# Altium PCB RK_NVR_DEMO1_RK3588_LP4XD200P232SD8_V21_20211228_final_lint.PcbDoc (part 8 of 29)
Units mm, origin at the board's own origin, x right, y up, seen from the top; angles counter-clockwise.
Board outline 170.08 x 169.98 mm, 8 copper layers (TOP, L2-GND1, L3-POWER1, L4-S1, L5-GND2, L6-S2, L7-GND3, BOTTOM), stack 2.118 mm thick; 1650 components, 1119 nets, 6165 pads, 15417 vias.
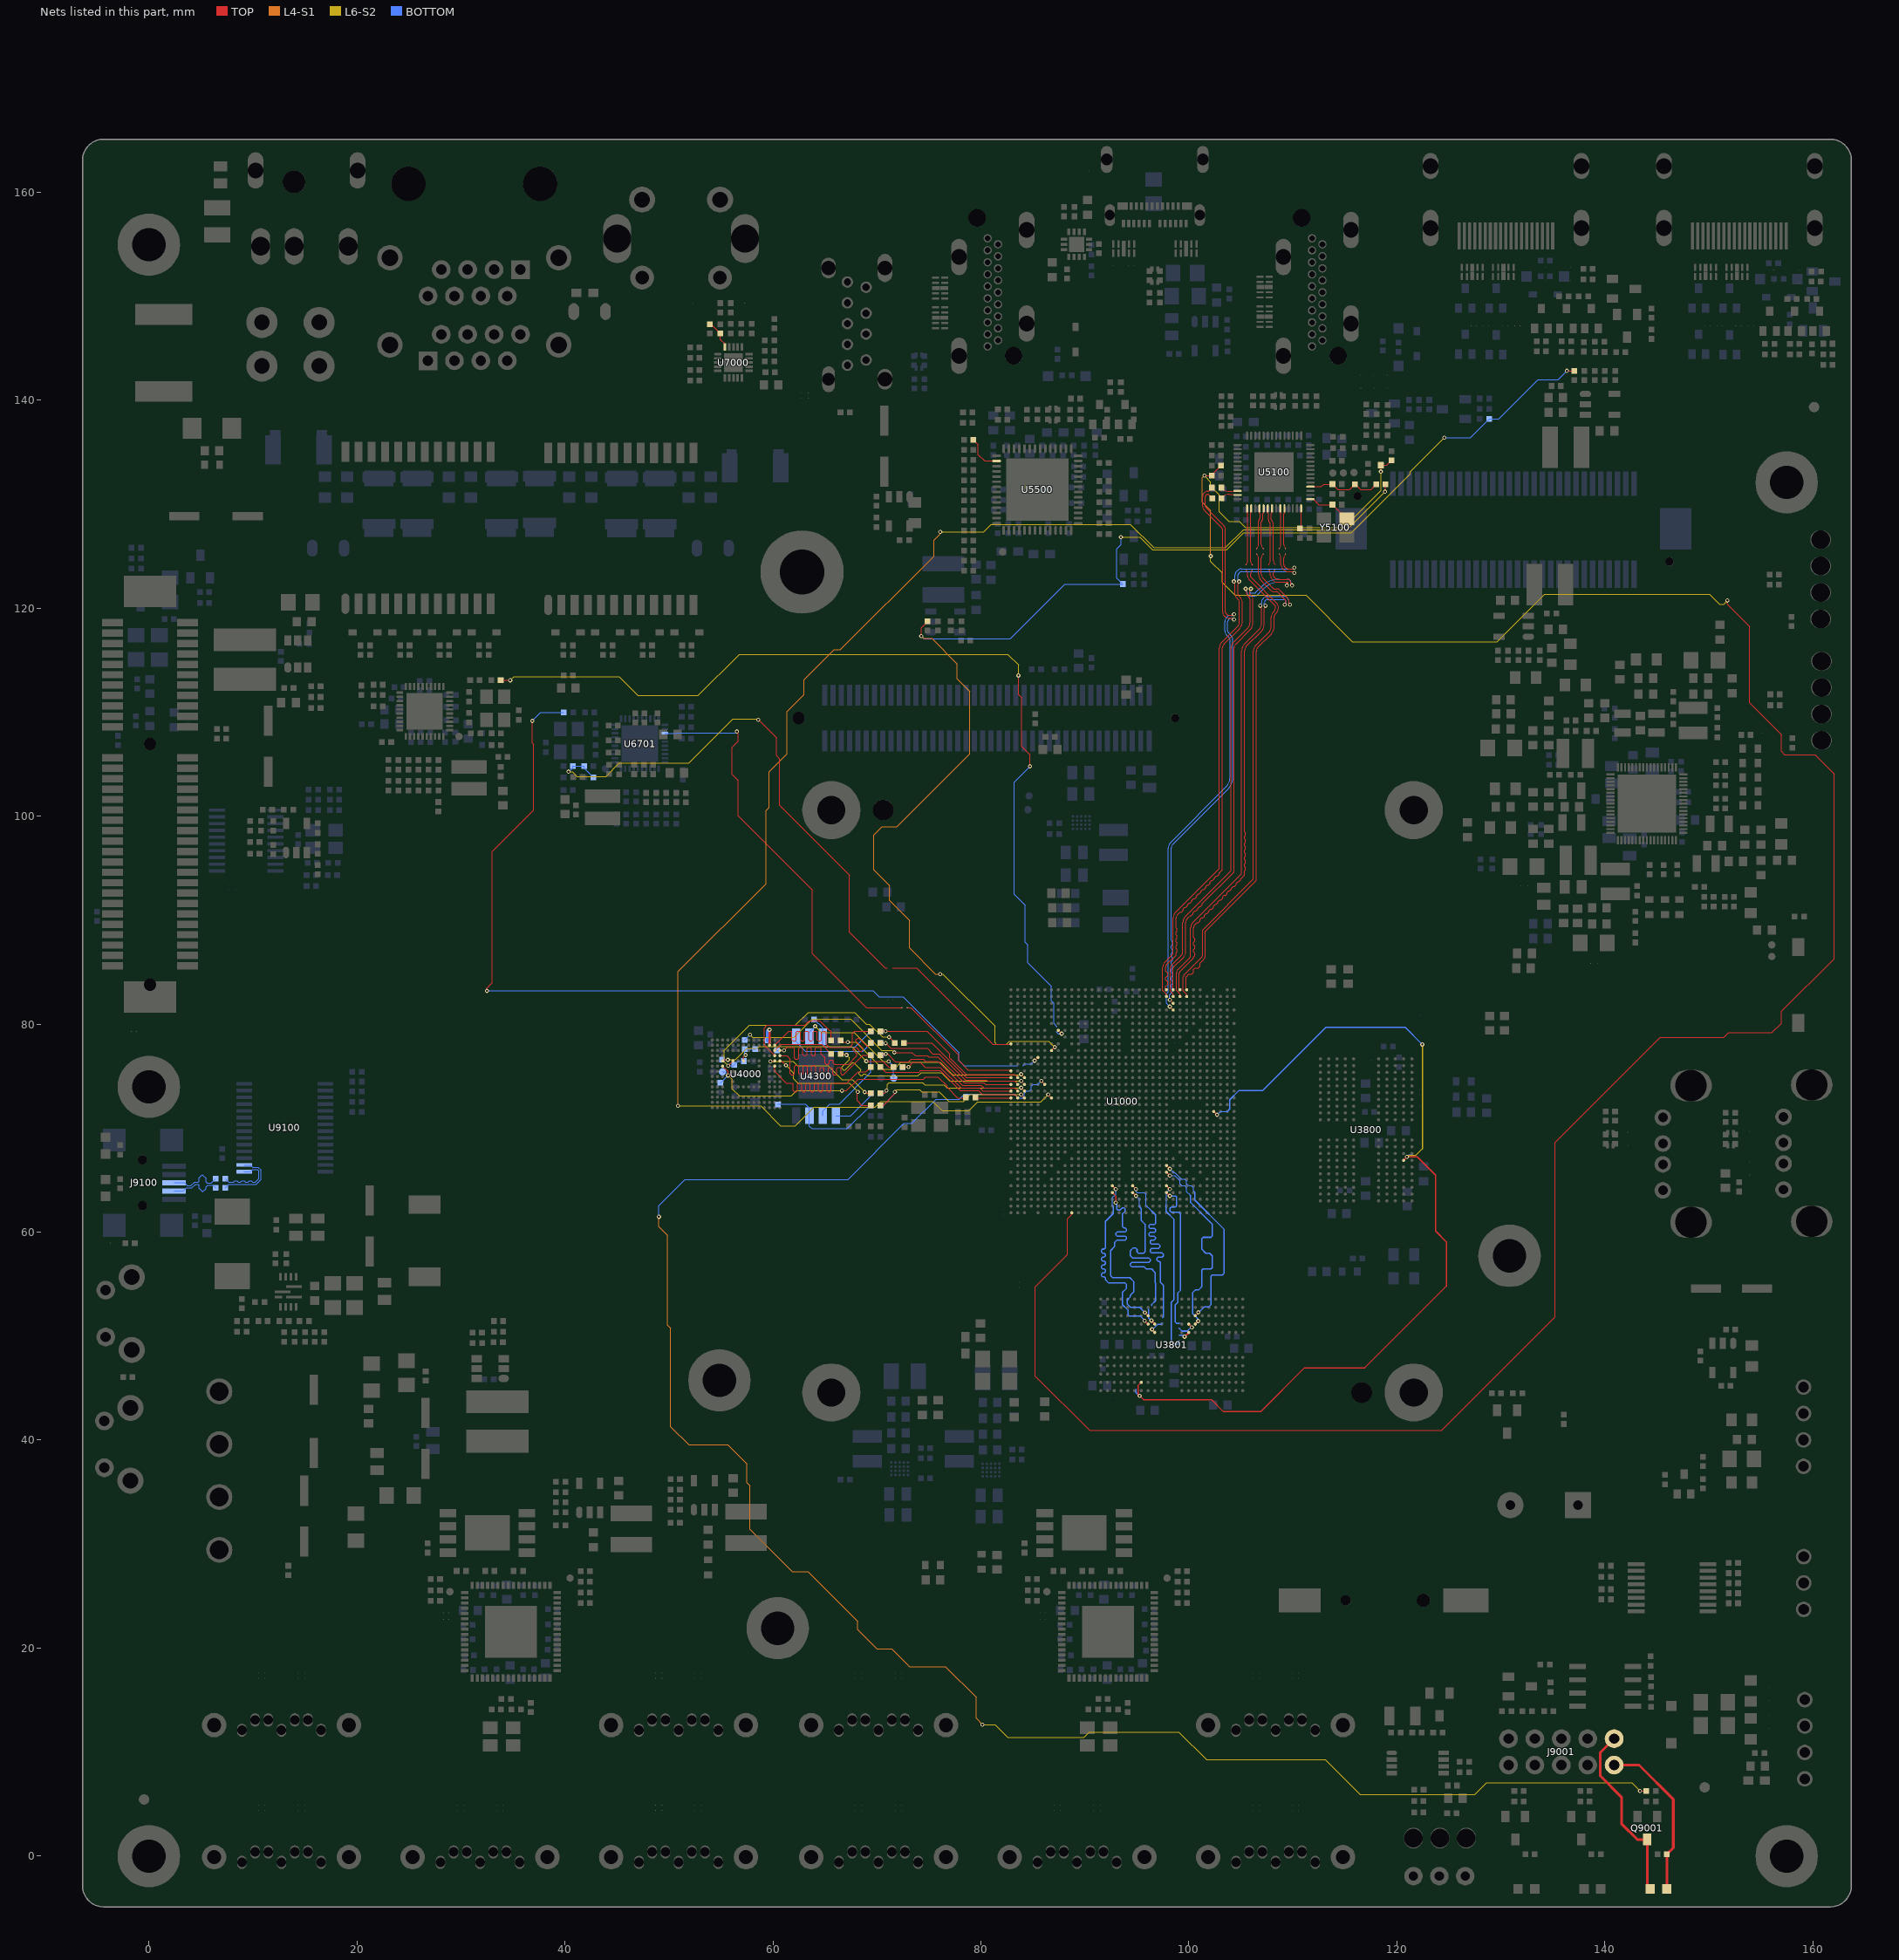
[diagram p14: the nets of this part, all layers, seen from the top]

## Via types
v1: diameter 0.4, hole 0.2, TOP to BOTTOM, 1688 vias
v2: diameter 0.4/0.4 (per signal layer), hole 0.2, TOP to L2-GND1, 1605 vias
v3: diameter 0/0/0/0/0/0/0/0.4 (per signal layer), hole 0.2, TOP to BOTTOM, 1253 vias
v4: diameter 0.4/0/0/0/0/0/0/0 (per signal layer), hole 0.2, TOP to BOTTOM, 1253 vias
v5: diameter 0.5, hole 0.3, TOP to BOTTOM, 857 vias
v6: diameter 0.4/0.4/0.4/0.4/0.4 (per signal layer), hole 0.2, L4-S1 to BOTTOM, 836 vias
v7: diameter 0/0/0/0/0/0/0/0.5 (per signal layer), hole 0.3, TOP to BOTTOM, 772 vias
v8: diameter 0.5/0/0/0/0/0/0/0 (per signal layer), hole 0.3, TOP to BOTTOM, 772 vias
v9: diameter 0.5/0.5 (per signal layer), hole 0.3, TOP to L2-GND1, 766 vias
v10: diameter 0.4/0.4 (per signal layer), hole 0.2, L7-GND3 to BOTTOM, 611 vias
v11: diameter 0.4/0.4/0.4/0.4 (per signal layer), hole 0.2, L5-GND2 to BOTTOM, 579 vias
v12: diameter 0.4 (per signal layer), hole 0.2, L6-S2 to L6-S2, 535 vias
v13: diameter 0.5/0.5/0.5/0.5/0.5 (per signal layer), hole 0.3, L4-S1 to BOTTOM, 457 vias
v14: diameter 0.5/0.5/0.5/0.5 (per signal layer), hole 0.3, L5-GND2 to BOTTOM, 455 vias
v15: diameter 0.4 (per signal layer), hole 0.2, L5-GND2 to L5-GND2, 418 vias
v16: diameter 0.5/0.5/0.5 (per signal layer), hole 0.3, TOP to L3-POWER1, 306 vias
v17: diameter 0.4 (per signal layer), hole 0.2, L4-S1 to L4-S1, 300 vias
v18: diameter 0.4/0.4/0.4 (per signal layer), hole 0.2, TOP to L3-POWER1, 287 vias
v19: diameter 0.5 (per signal layer), hole 0.3, L3-POWER1 to L3-POWER1, 242 vias
v20: diameter 0.5 (per signal layer), hole 0.3, L4-S1 to L4-S1, 240 vias
v21: diameter 0.5/0.5 (per signal layer), hole 0.3, L7-GND3 to BOTTOM, 192 vias
v22: diameter 0.5 (per signal layer), hole 0.3, L6-S2 to L6-S2, 166 vias
v23: diameter 0.4/0.4/0.4/0.4/0.4 (per signal layer), hole 0.2, TOP to L5-GND2, 134 vias
v24: diameter 0.5 (per signal layer), hole 0.3, L5-GND2 to L5-GND2, 114 vias
v25: diameter 0.5/0.5 (per signal layer), hole 0.3, L3-POWER1 to L4-S1, 111 vias
v26: diameter 0.4 (per signal layer), hole 0.2, L3-POWER1 to L3-POWER1, 93 vias
v27: diameter 0.4/0.4 (per signal layer), hole 0.2, L4-S1 to L5-GND2, 59 vias
v28: diameter 0.4/0.4/0/0/0.4/0/0.4/0.4 (per signal layer), hole 0.2, TOP to BOTTOM, 56 vias
v29: diameter 0.4/0/0/0.4/0/0/0/0.4 (per signal layer), hole 0.2, TOP to BOTTOM, 51 vias
v30: diameter 0.5/0.5 (per signal layer), hole 0.3, L4-S1 to L5-GND2, 46 vias
v31: diameter 0.4/0/0/0/0/0.4/0/0.4 (per signal layer), hole 0.2, TOP to BOTTOM, 42 vias
v32: diameter 0.5/0.5/0.5/0.5/0.5 (per signal layer), hole 0.3, TOP to L5-GND2, 32 vias
v33: diameter 0.4/0.4 (per signal layer), hole 0.2, L3-POWER1 to L4-S1, 29 vias
v34: diameter 0.4/0/0.4/0/0/0/0/0.4 (per signal layer), hole 0.2, TOP to BOTTOM, 29 vias
v35: diameter 0.4/0.4/0/0/0.4/0.4/0.4/0.4 (per signal layer), hole 0.2, TOP to BOTTOM, 21 vias
v36: diameter 0.5/0.5/0.5/0/0.5/0.5/0.5/0.5 (per signal layer), hole 0.3, TOP to BOTTOM, 4 vias
v37: diameter 0.5/0.5/0/0.5/0.5/0.5/0.5/0.5 (per signal layer), hole 0.3, TOP to BOTTOM, 3 vias
v38: diameter 0.4/0/0.4/0.4/0/0/0/0.4 (per signal layer), hole 0.2, TOP to BOTTOM, 2 vias
v39: diameter 0.4/0.4/0.4/0/0.4/0/0.4/0.4 (per signal layer), hole 0.2, TOP to BOTTOM, 1 vias

## Nets (pads, with @x,y where several pads share a name; then routed paths per layer and width w, separated by ;. In a path a pad name is that pad's centre, name@x,y a point inside that pad or via, vN(x,y) a via of type N, cw(c..) or ccw(c..) an arc to the next point about the centre after c; other vN are vias at no path point) (continued)
DDR_CH1_LP4/4X_CKE0/LP5_CS0_C: R3812.1 U1000.D11 | length 15.2
  TOP w0.127: U1000.D11@97.841,63.806 v4(98.165,63.481)
  BOTTOM w0.127: v4(98.165,63.481) 98.734,63.481 98.823,63.392 98.823,62.548 98.696,62.421 98.315,62.421 98.188,62.294 98.188,62.04 98.315,61.913 99.077,61.913 99.204,61.786 99.204,54.42 98.95,54.166 98.95,53.277 98.696,53.023 98.696,51.356 98.823,51.229 99.065,51.229 R3812.1@99.077,51.241
  other v3: 98.165,63.481
DDR_CH1_LP4/4X_CKE0/LP5_CS0_D: R3814.1 U1000.D16 | length 19
  TOP w0.127: U1000.D16@94.591,63.806 v4(94.915,63.481)
  BOTTOM w0.089: v4(94.915,63.481) 95.24,63.156 95.24,62.447
  BOTTOM w0.127: 95.24,62.447 95.394,62.294 95.394,61.151 95.775,60.77 95.775,58.103 95.648,57.976 95.14,57.976 95.013,58.103 95.013,58.357 94.886,58.484 94.632,58.484 94.378,58.23 94.378,57.722 94.579,57.521 96.156,57.521 96.283,57.394 96.283,57.214 96.156,57.087 94.505,57.087 94.378,56.96 94.378,56.78 94.505,56.653 95.701,56.653 95.902,56.452 96.41,56.452 96.74,56.122 96.74,55.156 96.791,55.106 96.791,53.404 96.434,53.047 R3814.1@96.434,52.946
  other v3: 94.915,63.481
DDR_CH1_LP4/4X_CKE0_C: R3812.2 U3801.J4 | length 1.9
  TOP w0.119: U3801.J4@99.971,51.156 v1(100.292,50.835)
  BOTTOM w0.127: R3812.2@99.077,50.741 99.335,50.483 99.839,50.483 100.14,50.784 100.242,50.784 v1(100.292,50.835)
DDR_CH1_LP4/4X_CKE0_D: R3814.2 U3801.P4 | length 1.7
  TOP w0.119: v1(96.394,51.496) 96.394,51.483 U3801.P4@96.721,51.156
  BOTTOM w0.127: R3814.2@96.08,52.592 96.13,52.542 96.13,51.747 96.381,51.496 v1(96.394,51.496)
DDR_CH1_LP4/4X_CKE1/LP5_CS1_C: R3813.1 U1000.E11 | length 16.8
  TOP w0.127: U1000.E11@97.841,64.456 v4(98.165,64.131)
  BOTTOM w0.089: 97.807,62.421 97.807,62.663 97.84,62.697 97.84,63.806 v4(98.165,64.131)
  BOTTOM w0.127: 97.807,62.421 97.807,61.987 98.569,61.225 98.569,53.531 98.315,53.277 98.315,49.472 98.556,49.231 98.95,49.231 99.077,49.358 R3813.1@99.077,49.598
  other v3: 98.165,64.131
DDR_CH1_LP4/4X_CKE1/LP5_CS1_D: R3815.1 U1000.E16 | length 19.9
  TOP w0.127: U1000.E16@94.591,64.456 v4(94.915,64.131)
  BOTTOM w0.089: v4(94.915,64.131) 94.915,63.915 95.025,63.806 95.699,63.806 95.89,63.615 95.89,62.559 96.016,62.433
  BOTTOM w0.127: 96.016,62.433 96.791,61.659 96.791,60.846 96.679,60.735 96.267,60.735 96.156,60.623 96.156,60.465 96.267,60.354 96.679,60.354 96.791,60.242 96.791,60.084 96.679,59.973 96.267,59.973 96.156,59.861 96.156,59.703 96.267,59.592 96.679,59.592 96.791,59.48 96.791,59.373 96.664,59.246 96.384,59.246 96.284,59.145 96.284,58.965 96.384,58.865 97.07,58.865 97.197,58.738 97.197,58.558 97.07,58.431 96.41,58.431 96.283,58.304 96.283,58.124 96.41,57.997 97.426,57.997 97.553,57.87 97.553,57.722 97.426,57.595 97.018,57.595 96.918,57.494 96.918,57.314 97.018,57.214 97.121,57.214 97.248,57.087 97.248,55.182 97.553,54.877 97.553,51.851 R3815.1@97.451,51.749
  other v3: 94.915,64.131
DDR_CH1_LP4/4X_CKE1_C: R3813.2 U3801.J5 | length 1.2
  TOP w0.119: v1(99.588,49.947) 99.588,49.972 U3801.J5@99.971,50.356
  BOTTOM w0.127: R3813.2@99.077,50.098 99.461,50.098 99.588,49.971 v1(99.588,49.947)
DDR_CH1_LP4/4X_CKE1_D: R3815.2 U3801.P5 | length 1.7
  TOP w0.119: v1(96.447,50.655) 96.447,50.63 U3801.P5@96.721,50.356
  BOTTOM w0.127: v1(96.447,50.655) 96.531,50.655 96.994,51.118 97.32,51.118 R3815.2@97.451,51.249
DDR_CH1_LP4/4X_CS0_C: U1000.G11 U3801.H4 | length 20.1
  TOP w0.127: U1000.G11@97.841,65.756 v4(98.165,65.431) ; U3801.H4@100.621,51.156 100.893,51.428 v1(100.894,51.45)
  BOTTOM w0.089: v4(98.165,65.431) 98.624,65.431 99.14,64.915 99.14,64.647 99.331,64.456 99.6,64.456 99.79,64.265 99.79,63.885 100.102,63.573
  BOTTOM w0.127: 100.102,63.573 100.169,63.506 100.169,62.853 102.252,60.77 102.252,59.627 102.125,59.5 101.363,59.5 101.236,59.373 101.236,58.357 101.617,57.976 101.998,57.976 102.252,57.722 102.252,56.579 102.125,56.452 101.363,56.452 101.236,56.325 101.236,54.75 100.919,54.432 100.615,54.432 100.347,54.164 100.347,52.177 100.893,51.631 v1(100.894,51.45)
  other v3: 98.165,65.431
DDR_CH1_LP4/4X_CS0_D: U1000.E19 U3801.R4 | length 19.5
  TOP w0.127: U1000.E19@92.641,64.456 v4(92.966,64.131) ; v1(95.752,51.475) U3801.R4@96.071,51.156
  BOTTOM w0.089: 92.727,62.446 92.64,62.533 92.64,63.325 92.966,63.65 v4(92.966,64.131)
  BOTTOM w0.127: 92.727,62.446 92.727,61.786 91.965,61.024 91.965,58.479 91.853,58.367 91.695,58.367 91.584,58.256 91.584,58.098 91.695,57.986 91.853,57.986 91.965,57.875 91.965,57.717 91.853,57.605 91.695,57.605 91.584,57.494 91.584,57.336 91.695,57.224 91.853,57.224 91.965,57.113 91.965,56.955 91.853,56.843 91.695,56.843 91.584,56.732 91.584,56.574 91.695,56.462 91.853,56.462 91.965,56.351 91.965,56.193 91.853,56.081 91.695,56.081 91.584,55.97 91.584,55.812 91.695,55.7 91.853,55.7 91.965,55.589 91.965,55.436 92.295,55.106 93.87,55.106 93.997,54.979 93.997,54.598 93.616,54.217 93.616,53.023 94.14,52.498 94.14,52.079 94.302,51.918 95.356,51.918 95.752,51.522 v1(95.752,51.475)
  other v3: 92.966,64.131
DDR_CH1_LP4/4X_CS1_C: U1000.H11 U3801.H3 | length 19.2
  TOP w0.127: U1000.H11@97.841,66.406 v4(98.165,66.081) ; U3801.H3@100.621,51.956 100.903,52.238 v1(100.903,52.289)
  BOTTOM w0.089: v4(98.165,66.081) 98.524,65.723 98.648,65.723 99.265,65.106 99.6,65.106 99.79,64.915 99.79,64.647 99.982,64.456 100.25,64.456 100.44,64.265 100.44,63.979 100.575,63.843
  BOTTOM w0.127: 100.575,63.843 100.575,63.081 103.395,60.262 103.395,56.071 103.204,55.88 102.236,55.88 102.109,55.753 102.109,53.007 101.898,52.796 101.462,52.796 100.954,52.289 v1(100.903,52.289)
  other v3: 98.165,66.081
DDR_CH1_LP4/4X_CS1_D: U1000.D19 U3801.R3 | length 19.7
  TOP w0.127: U1000.D19@92.641,63.806 92.966,63.481 v4(92.966,62.831) ; v1(95.771,52.261) 95.771,52.256 U3801.R3@96.071,51.956
  BOTTOM w0.127: v4(92.966,62.831) 93.057,62.74 93.057,62.218 93.159,62.116 93.362,62.116 93.565,62.319 93.768,62.319 93.87,62.218 93.87,62.014 93.616,61.76 93.616,60.539 93.768,60.387 93.885,60.387 93.997,60.275 93.997,60.117 93.885,60.006 93.092,60.006 92.981,59.894 92.981,59.736 93.092,59.625 93.885,59.625 93.997,59.513 93.997,59.355 93.885,59.244 93.092,59.244 92.854,59.005 92.854,58.611 92.473,58.23 92.473,55.817 92.676,55.614 94.327,55.614 94.683,55.258 94.683,54.242 94.378,53.937 94.378,53.785 94.073,53.48 94.073,53.074 94.378,52.769 95.263,52.769 v1(95.771,52.261)
  other v3: 92.966,62.831
DDR_RESET: C3844.1 C3888.1 U1000.T4 U3800.T11 U3801.T11 | length 89.7
  TOP w0.127: U3801.T11@95.421,45.556 95.102,45.237 95.102,44.424 v1(95.267,44.26) 95.638,43.888 102.166,43.888 103.319,42.736 106.9,42.736 111.118,46.954 116.91,46.954 124.756,54.801 124.756,59.068 123.715,60.109 123.715,65.469 121.949,67.234 120.968,67.234 v4(120.965,67.231) U3800.T11@120.641,66.906 ; U1000.T4@102.391,71.606 v4(102.716,71.281)
  L6-S2 w0.127: v4(120.965,67.231) 121.108,67.374 121.81,67.374 122.445,68.009 v4(122.445,78.042)
  BOTTOM w0.089: v4(102.716,71.281) 103.04,71.606 103.69,71.606
  BOTTOM w0.127: C3888.1@94.89,44.895 94.89,44.6 95.229,44.26 v1(95.267,44.26) ; 103.69,71.606 103.928,71.844 103.928,72.733 104.792,73.597 107.078,73.597 113.174,79.693 120.794,79.693 v4(122.445,78.042) ; v4(120.965,67.231) 121.13,67.395 C3844.1@121.429,67.395
  other v3: 120.965,67.231 102.716,71.281 122.445,78.042
  other v12: 120.965,67.231 122.445,78.042
DEBUG0_USB_DM: D9101.1 J9100.2 R9104.2 | length 5.2
  BOTTOM w0.084: J9100.2@2.425,63.952 3.326,63.952 3.625,64.251 4.133,64.251 4.484,64.602 4.741,64.602 4.843,64.501 4.843,64.234 D9101.1@5.18,63.897 5.478,64.194 5.478,64.351 5.656,64.529 6.164,64.529 R9104.2@6.434,64.259
DEBUG0_USB_DP: D9100.1 J9100.3 R9105.2 | length 5.4
  BOTTOM w0.084: J9100.3@2.425,64.752 3.4,64.752 3.698,64.454 4.049,64.454 4.4,64.805 4.742,64.805 4.844,64.907 4.844,65.214 D9100.1@5.14,65.511 5.478,65.173 5.478,64.846 5.592,64.732 6.018,64.732 R9105.2@6.434,65.148
DEBUG0_USBDM: R9104.1 U9100.16 | length 6.5
  BOTTOM w0.084: R9104.1@7.334,64.259 7.677,64.602 10.301,64.602 10.761,65.062 10.761,65.977 10.504,66.234 9.996,66.234 9.772,66.457 U9100.16@9.159,66.457
DEBUG0_USBDP: R9105.1 U9100.15 | length 6.1
  BOTTOM w0.084: R9105.1@7.334,65.148 7.677,64.805 8.129,64.805 8.248,64.925 8.476,64.925 8.596,64.805 8.824,64.805 8.944,64.925 9.172,64.925 9.292,64.805 9.52,64.805 9.64,64.925 9.868,64.925 9.988,64.805 10.216,64.805 10.558,65.147 10.558,65.892 10.42,66.031 10.002,66.031 9.778,65.807 U9100.15@9.159,65.807
DP1_AUXN: C5100.1 U1000.AM10 | length 55.8
  TOP w0.076: C5100.1@102.222,131.589 101.895,131.262 cw(c101.795,131.362) 101.795,131.22 ccw(c101.795,130.738) 101.312,130.738 101.312,129.824 ccw(c101.938,129.824) 101.495,129.381 103.121,127.755 cw(c102.828,127.462) 103.242,127.462 103.242,119.622 ccw(c103.767,119.622) 103.396,119.25 103.426,119.221 ccw(c103.869,119.664) 103.869,119.037 104.005,119.037 cw(c104.005,118.572) v4(104.335,118.901)
  TOP w0.102: v4(98.165,82.331) U1000.AM10@98.491,82.006
  BOTTOM w0.076: v4(98.165,82.331) 98.125,82.371 98.125,82.805 98.367,83.047 ; 98.367,83.424 98.293,83.498 98.293,83.727 98.367,83.801 ; 98.367,84.178 98.293,84.252 98.293,84.481 98.367,84.555 ; 98.367,84.932 98.293,85.006 98.293,85.235 98.367,85.309 ; 98.367,85.686 98.293,85.76 98.293,85.989 98.367,86.063 ; 98.367,86.44 98.293,86.514 98.293,86.743 98.367,86.817 ; 98.367,87.194 98.293,87.268 98.293,87.496 98.367,87.571 ; 98.367,87.947 98.293,88.022 98.293,96.911 cw(c98.8,96.911) 98.442,97.27 103.763,102.59 ccw(c102.627,103.726) 104.233,103.726 104.233,116.896 ccw(c103.539,116.896) 104.03,117.386 103.827,117.59 cw(c104.072,117.835) 103.725,117.835 103.725,118.692 cw(c104.045,118.692) 104.045,119.012 104.066,119.012 cw(c104.066,118.632) v4(104.335,118.901) ; 98.368,83.047 98.442,83.121 98.442,83.35 98.368,83.424 ; 98.368,83.801 98.442,83.875 98.442,84.104 98.368,84.178 ; 98.368,84.555 98.442,84.629 98.442,84.858 98.368,84.932 ; 98.368,85.309 98.442,85.383 98.442,85.612 98.368,85.686 ; 98.368,86.063 98.442,86.137 98.442,86.366 98.368,86.44 ; 98.368,86.817 98.442,86.891 98.442,87.119 98.368,87.194 ; 98.368,87.571 98.442,87.645 98.442,87.873 98.368,87.947
  other v3: 98.165,82.331 104.335,118.901
DP1_AUXP: C5101.1 U1000.AL10 | length 55.3
  TOP w0.076: C5101.1@102.244,130.573 101.932,130.884 ccw(c101.795,130.746) 101.795,130.941 ccw(c101.795,130.738) 101.591,130.738 101.591,129.824 ccw(c101.938,129.824) 101.693,129.578 103.319,127.953 cw(c102.828,127.462) 103.522,127.462 103.522,119.622 ccw(c103.767,119.622) 103.594,119.448 103.623,119.418 ccw(c103.869,119.664) 103.869,119.317 104.127,119.317 ccw(c104.127,119.61) v4(104.335,119.403)
  TOP w0.102: v4(98.165,81.681) U1000.AL10@98.491,81.356
  BOTTOM w0.076: v4(98.165,81.681) 97.837,82.008 97.837,82.913 98.014,83.089 98.014,96.911 cw(c98.8,96.911) 98.244,97.467 103.565,102.788 ccw(c102.627,103.726) 103.954,103.726 103.954,116.896 ccw(c103.539,116.896) 103.832,117.189 103.629,117.392 cw(c104.072,117.835) 103.446,117.835 103.446,118.692 cw(c104.045,118.692) 104.045,119.292 104.067,119.292 ccw(c104.067,119.671) v4(104.335,119.403)
  other v3: 98.165,81.681 104.335,119.403
DP1_HPDIN_M2: D5102.1 R5100.1 R5101.1 R5135.2 U1000.A25 | length 257.7
  TOP w0.102: U1000.A25@88.74,61.856 88.74,61.686 88.333,61.278 88.333,57.824 85.234,54.725 85.234,46.161 90.46,40.935 124.302,40.935 135.221,51.854 135.221,68.618 145.333,78.731 151.429,78.731 151.883,79.185 156.066,79.185 156.972,80.091 156.972,81.225 162.043,86.297 162.043,104.077 160.215,105.906 157.285,105.906 156.963,106.228 156.963,107.853 153.915,110.901 153.915,118.251 151.782,120.385 151.782,120.733 v4(151.775,120.739) ; v4(101.49,132.743) R5101.1@102.196,132.743 102.196,132.808 R5100.1@103.097,133.708 ; v4(118.457,133.134) D5102.1@118.457,133.757 119.021,133.757 R5135.2@119.473,134.208
  L4-S1 w0.102: v4(101.49,132.743) 101.287,132.539 101.287,130.188 102.099,129.375 v4(102.099,125.006)
  L6-S2 w0.102: v4(101.49,132.743) 102.099,132.133 102.099,131.712 102.912,130.899 102.912,129.274 103.827,128.359 104.843,128.359 105.452,127.75 114.901,127.75 118.457,131.306 v4(118.457,133.134) ; v4(102.099,125.006) 102.099,124.498 103.217,123.381 103.217,122.466 104.436,121.247 111.243,121.247 115.714,116.777 129.633,116.777 134.205,121.349 150.055,121.349 151.017,120.387 151.42,120.387 151.772,120.739 v4(151.775,120.739)
  other v3: 151.775,120.739 102.099,125.006 101.49,132.743 118.457,133.134
  other v12: 151.775,120.739 102.099,125.006 101.49,132.743 118.457,133.134
  other v17: 102.099,125.006 101.49,132.743
DP1_TX0N: C1409.2 U5100.30 | length 5.5
  TOP w0.076: U5100.30@105.988,129.58 105.988,129.148 105.928,129.088 105.928,124.608 105.928,124.498 ccw(c106.311,124.498) 106.04,124.228 C1409.2@106.103,124.164
DP1_TX0P: C1408.2 U5100.29 | length 5.5
  TOP w0.076: C1408.2@105.473,124.164 105.536,124.227 ccw(c105.265,124.498) 105.649,124.498 105.649,124.724 ; U5100.29@105.588,129.58 105.588,129.149 105.649,129.088 105.649,127.026 ; 105.649,124.724 105.649,127.026
DP1_TX1N: C1411.2 U5100.33 | length 4
  TOP w0.076: 107.008,128.391 ccw(c107.113,128.287) 106.965,128.287 106.965,126.124 ccw(c107.532,126.124) 107.131,125.723 C1411.2@107.14,125.714 ; 107.008,128.392 ccw(c106.72,128.68) 107.128,128.68 107.128,129.088 107.188,129.148 U5100.33@107.188,129.58
DP1_TX1P: C1410.2 U5100.32 | length 4
  TOP w0.076: C1410.2@106.51,125.714 106.519,125.723 ccw(c106.119,126.124) 106.685,126.124 106.685,128.332 cw(c107.003,128.332) 106.778,128.557 ccw(c106.608,128.727) 106.849,128.727 106.849,129.088 106.788,129.149 U5100.32@106.788,129.58
DP1_TX2N: C1414.2 U5100.35 | length 5.5
  TOP w0.076: U5100.35@107.988,129.58 107.988,129.148 107.928,129.088 107.928,128.514 ccw(c108.147,128.514) 107.992,128.359 cw(c107.685,128.052) 108.119,128.052 108.119,124.6 ccw(c108.656,124.6) 108.277,124.221 C1414.2@108.295,124.202
DP1_TX2P: C1413.2 U5100.34 | length 5.5
  TOP w0.076: U5100.34@107.588,129.58 107.588,129.149 107.649,129.088 107.649,128.514 ccw(c108.147,128.514) 107.795,128.162 cw(c107.685,128.052) 107.84,128.052 107.84,124.6 cw(c107.304,124.6) 107.683,124.221 C1413.2@107.665,124.202
DP1_TX3N: C1416.2 U5100.38 | length 3.9
  TOP w0.076: U5100.38@109.188,129.58 109.188,129.148 109.128,129.088 109.128,126.124 ccw(c109.689,126.124) 109.292,125.727 C1416.2@109.306,125.714
DP1_TX3P: C1415.2 U5100.37 | length 3.9
  TOP w0.076: C1415.2@108.671,125.714 108.684,125.727 ccw(c108.288,126.124) 108.849,126.124 108.849,129.088 108.788,129.149 U5100.37@108.788,129.58
DP1AUXN: C5100.2 U5100.26 | length 1.7
  TOP w0.076: C5100.2@103.122,131.589 103.253,131.458 ccw(c103.827,132.032) 103.827,131.22 104.196,131.22 104.256,131.28 U5100.26@104.688,131.28
DP1AUXP: C5101.2 U5100.27 | length 1.7
  TOP w0.076: C5101.2@103.144,130.573 103.29,130.719 cw(c103.826,130.182) 103.827,130.941 104.196,130.941 104.256,130.881 U5100.27@104.688,130.881
DP1TX0N: C1409.1 U1000.AP8 | length 45.4
  TOP w0.076: U1000.AP8@99.791,83.306 99.738,83.359 99.738,84.509 cw(c99.822,84.509) 99.763,84.569 99.995,84.802 100.283,84.802 100.445,84.964 100.445,85.251 100.606,85.413 100.894,85.413 101.055,85.574 101.055,85.862 101.388,86.195 ccw(c100.897,86.686) 101.591,86.686 101.591,88.938 106.468,93.815 106.468,115.862 cw(c106.959,115.862) 106.612,116.209 106.671,116.269 107.891,117.488 ccw(c107.154,118.224) 108.195,118.224 108.195,119.173 cw(c108.542,119.173) 108.297,119.418 108.399,119.52 ccw(c107.908,120.01) 108.602,120.011 108.602,120.13 ccw(c108.11,120.13) 108.458,120.477 105.96,122.974 cw(c106.038,123.052) 105.928,123.052 105.928,123.279 cw(c106.433,123.279) 106.076,123.636 C1409.1@106.103,123.664
DP1TX0P: C1408.1 U1000.AN8 | length 45.8
  TOP w0.076: U1000.AN8@99.791,82.656 99.791,82.896 99.458,83.228 99.458,84.509 cw(c99.823,84.509) 99.565,84.767 101.191,86.393 ccw(c100.897,86.686) 101.312,86.686 101.312,89.054 106.189,93.931 106.189,115.863 cw(c106.959,115.862) 106.414,116.406 106.473,116.466 107.693,117.686 ccw(c107.154,118.224) 107.916,118.224 107.916,119.173 cw(c108.542,119.173) 108.099,119.616 108.201,119.718 ccw(c107.908,120.01) 108.322,120.011 108.322,120.13 ccw(c108.111,120.13) 108.26,120.279 105.763,122.777 cw(c106.038,123.052) 105.649,123.052 105.649,123.279 ccw(c105.142,123.279) 105.5,123.637 C1408.1@105.473,123.664
DP1TX1N: C1411.1 U1000.AN9 | length 51.2
  TOP w0.076: U1000.AN9@99.141,82.656 99.141,82.896 98.797,83.239 98.797,84.874 cw(c99.384,84.874) 98.969,85.289 100.089,86.409 ccw(c99.897,86.602) 100.169,86.602 100.169,89.243 100.169,89.254 100.169,89.264 cw(c100.853,89.265) 100.372,89.751 105.071,94.45 105.071,115.88 cw(c106.044,115.88) 105.356,116.568 106.779,117.99 ccw(c106.302,118.467) 106.976,118.467 106.976,119.963 ccw(c106.597,119.963) v4(106.865,120.231) ; C1411.1@107.14,125.213 107.13,125.204 ccw(c107.531,124.803) 106.964,124.803 106.964,123.279 ccw(c107.549,123.279) 107.136,122.866 107.154,122.847 108.068,121.933 ccw(c108.252,122.117) 108.252,121.857 108.41,121.857 cw(c108.41,121.36) 108.761,121.711 109.464,121.009 cw(c109.093,120.638) 109.618,120.638 109.618,120.409 109.694,120.333 v4(109.713,120.333)